# KiCad board longboi.kicad_pcb (continued)
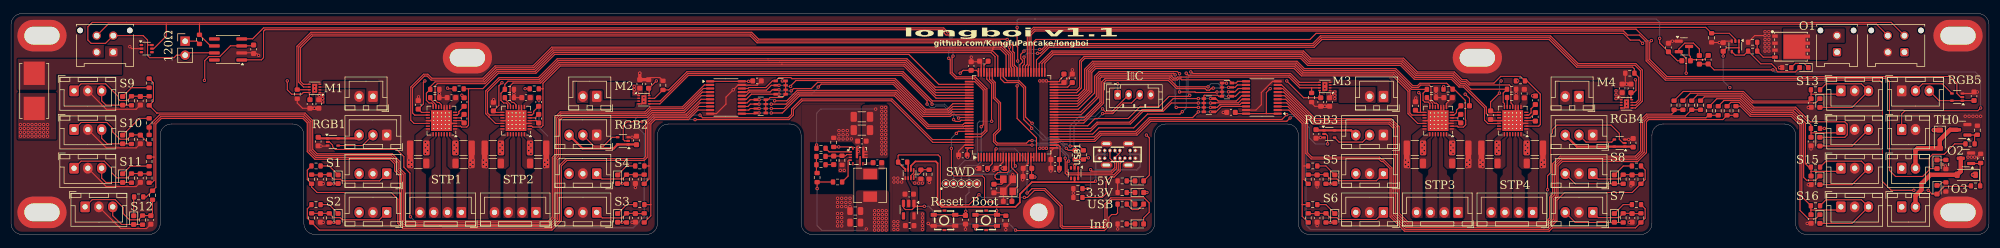
[diagram p0: board, top side]
## Routing (per net, layer and track width the routed paths; a pad name or vN(x,y) marks a point on that pad's centre or on a via; arc(x,y) is an arc through that point) (continued)
VBUS: length 67
  Top w0.3: U17.6 162.88,12.41 163.68,13.22 167.38,13.22 167.7,12.9 167.7,5.7 168.4,5 181.8,5 182.6,5.8 182.6,7.3 184.77,9.47 192.5,9.47 ; v1(196.3,9.67) 196.1,9.47 192.5,9.47 ; 192.5,9.47 U20.5
  Bottom w0.3: 197.95,14.4 197.85,14.5 196.71,14.5 196.3,14.09 196.3,11.7 ; 197.95,14.4 USB1.15 ; 197.95,14.4 USB1.2 ; 196.3,11.7 203.8,11.7 204.4,12.3 204.4,14.3 204.2,14.5 202.55,14.5 ; 196.3,11.7 v1(196.3,9.67) ; 202.55,14.5 USB1.7 ; 202.55,14.5 USB1.10
/24V_CAN/CANH: length 360.2
  Top w0.2: 24.7,34.4 24.8,34.3 U23.6 ; 24.7,34.4 24.7,32.4 25.1,32 29.5,32 29.96,32.46 J19.2 ; 24.7,34.4 24.7,35.2 23.9,36 J21.3 17.1,34.6 14.5,34.6 13.9,35.2 13.9,37.6 14.7,38.4 20.9,38.4 340.3,38.4 J20.3 ; 31.87,32.89 36.83,32.89
/24V_CAN/CANL: length 336.3
  Top w0.2: U23.5 25.82,33.65 28.1,35.93 28.1,38.07 ; 34.11,38.07 R12.1 36.09,34.16 ; 34.11,38.07 34.1,38.07 28.1,38.07 ; 34.11,38.07 34.11,38.07 337.63,38.07 J20.4 ; 28.1,38.07 17.57,38.07 J21.4
/Endstops/Switch 1/SW: length 101.4
  Top w0.2: U3.6 124.89,24.47 122.19,21.78 116.19,21.78 114.82,20.41 114.82,14.08 114.46,13.73 100.46,13.73 99.27,12.54 99.27,2.62 97.78,1.13 70.89,1.13 70,2.01 70,6.4 68.8,7.6 55.4,7.6 54.4,8.6 R60.2 53.62,9.95 53.62,11.65 R94.1
/Endstops/Switch 2/SW: length 95.6
  Top w0.2: R92.1 53.62,4.65 53.62,2.95 R56.2 55.78,0.8 97.91,0.8 99.6,2.49 99.6,12.4 100.6,13.4 114.6,13.4 115.15,13.95 115.15,20.27 116.33,21.45 122.33,21.45 124.7,23.83 U3.7
/Endstops/Switch 3/SW: length 31.3
  Top w0.2: 115.8,5.4 115.8,3.38 R48.2 ; 115.8,5.4 115.8,20 116.6,20.8 122.6,20.8 124.32,22.53 U3.9 ; 115.8,5.4 R88.1
/Endstops/Switch 4/SW: length 24.5
  Top w0.2: U3.8 124.51,23.17 122.46,21.13 116.46,21.13 115.47,20.14 115.47,12.4 ; 115.47,12.4 115.47,10.05 R52.2 ; 115.47,12.4 R90.1
/Endstops/Switch 5/SW: length 18.1
  Top w0.2: 234.02,12.4 234.02,20.24 231.09,23.17 U2.3 ; 234.02,12.4 234.02,9.95 R44.2 ; 234.02,12.4 R86.1
/Endstops/Switch 6/SW: length 24.9
  Top w0.2: 233.7,5.4 233.7,20.1 231.27,22.53 U2.2 ; 233.7,5.4 233.7,3.28 R40.2 ; 233.7,5.4 R84.1
/Endstops/Switch 7/SW: length 88.3
  Top w0.2: R82.1 295.78,4.65 295.78,2.95 R36.2 294.02,1.2 279,1.2 278.4,0.6 252.2,0.6 249.6,3.2 249.6,11.91 248.31,13.2 248.04,13.2 247.57,13.67 235.33,13.67 234.35,14.65 234.35,20.38 230.9,23.83 U2.4
/Endstops/Switch 8/SW: length 93.4
  Top w0.2: R80.1 295.78,11.65 295.78,9.95 R32.2 293.43,7.6 281.2,7.6 279.8,6.2 279.8,2.46 278.26,0.93 252.34,0.93 249.93,3.34 249.93,12.05 248.45,13.53 248.18,13.53 247.7,14 235.46,14 234.68,14.78 234.68,20.51 230.72,24.47 U2.5
/Endstops/Switch 9/SW: length 145
  Top w0.2: 25,28.22 25.77,27.45 25.77,24.15 R58.2 26.38,22 26.4,22 26.42,21.98 53.22,21.98 54.6,20.6 54.6,15.4 55.4,14.6 69,14.6 70.4,13.2 70.4,11.94 71.31,11.03 71.31,2.55 71.43,2.44 97.24,2.44 97.97,3.16 97.97,13.95 98.42,14.41 98.42,21.21 99.39,22.18 114.74,22.18 115.65,23.09 121.5,23.09 125.49,27.08 U3.2
/Endstops/Switch 10/SW: length 141.3
  Top w0.2: R54.2 R91.1 25,19.78 26.88,21.65 53.08,21.65 54.27,20.46 54.27,15.26 55.26,14.27 68.86,14.27 70.07,13.06 70.07,11.8 70.98,10.89 70.98,2.42 71.29,2.11 97.37,2.11 98.29,3.03 98.29,13.82 98.75,14.27 98.75,21.07 99.53,21.85 114.88,21.85 115.79,22.76 121.64,22.76 125.3,26.42 U3.3
/Endstops/Switch 11/SW: length 150.5
  Top w0.2: 25.87,14 25.85,14.03 R89.1 ; 25.87,14 25.87,20.14 27.06,21.33 52.95,21.33 53.95,20.33 53.95,15.13 55.13,13.95 68.73,13.95 69.75,12.93 69.75,11.66 70.65,10.76 70.65,2.28 71.16,1.78 97.51,1.78 98.62,2.89 98.62,13.68 99.07,14.14 99.07,20.94 99.66,21.53 115.01,21.53 115.92,22.44 121.77,22.44 125.11,25.78 126.54,25.78 ; 25.87,14 25.87,9.77 25.48,9.38 R50.2
/Endstops/Switch 12/SW: length 152.2
  Top w0.2: 23.92,6.8 24.48,6.8 R46.2 26.2,8.53 26.2,20 27.2,21 52.81,21 53.62,20.19 53.62,14.99 54.99,13.62 68.59,13.62 69.42,12.79 69.42,11.53 70.33,10.62 70.33,2.15 71.02,1.45 97.64,1.45 98.95,2.76 98.95,13.55 99.4,14 99.4,20.8 99.8,21.2 115.15,21.2 116.06,22.11 121.91,22.11 124.93,25.12 U3.5
/Endstops/Switch 13/SW: length 110.2
  Top w0.2: U2.9 229.97,27.08 236.06,20.98 249.81,20.98 251.24,19.55 251.24,3.88 252.88,2.24 277.72,2.24 278.49,3.01 278.49,6.74 279.02,7.27 279.02,12.81 280.39,14.18 293.99,14.18 294.94,15.14 294.94,20.74 295.99,21.78 300.58,21.78 301,22.2 R42.2 R85.1
/Endstops/Switch 14/SW: length 113.1
  Top w0.2: 304.18,22.58 303.06,21.46 296.13,21.46 295.27,20.6 295.27,15 294.13,13.86 280.53,13.86 279.34,12.67 279.34,7.14 278.82,6.61 278.82,2.87 277.86,1.91 252.74,1.91 250.91,3.74 250.91,19.42 249.67,20.66 235.93,20.66 230.16,26.42 U2.8 ; R38.2 R83.1
/Endstops/Switch 15/SW: length 115.8
  Top w0.2: 307.23,21.58 306.78,21.13 296.26,21.13 295.6,20.46 295.6,14.86 294.26,13.53 280.66,13.53 279.67,12.54 279.67,7 279.14,6.47 279.14,2.74 277.99,1.58 252.61,1.58 250.58,3.61 250.58,19.28 249.54,20.33 235.79,20.33 230.34,25.78 229.26,25.78 ; R81.1 R34.2
/Endstops/Switch 16/SW: length 119.1
  Top w0.2: U2.6 230.53,25.12 235.66,20 249.4,20 250.26,19.14 250.26,3.47 252.47,1.26 278.13,1.26 279.47,2.6 279.47,6.34 280,6.86 280,12.4 280.8,13.2 294.4,13.2 296,14.8 296,20.4 296.4,20.8 309.82,20.8 R30.2 R79.1
/Outputs/High Power 1/EN: length 14.9
  Top w0.2: U21.4 312.08,32.47 313.67,32.47 R62.1 316.7,30.9 318.65,30.9 319.5,30.05 319.5,29.72 319.79,29.44 322.96,29.44 D5.2
/Power/FB: length 4.4
  Top w0.2: U18.2 151.26,14.46 151.05,14.25 R23.1 ; 150.35,14.2 C58.2 147.5,14.2
/Power/PG: length 4.7
  Top w0.2: U18.4 151.66,13.46 151.5,13.3 151.5,10.57 R107.2
BOOT0: length 30
  Top w0.2: v1(177.7,5.9) 176.6,5.9 176.2,6.3 176.2,10.2 175.8,10.6 170.7,10.6 170.2,11.1 v1(170.2,15.6) ; v1(171.1,18.3) 171.47,18.67 U1.94 ; v1(178.4,4.3) 178.45,4.25 SW2.3 ; SW2.3 179.88,3.56 ; SW2.3 SW2.4
  Bottom w0.2: v1(177.7,5.9) 178.4,5.2 v1(178.4,4.3) ; v1(171.1,18.3) 170.2,17.4 v1(170.2,15.6)
CAN_RX: length 154.8
  Top w0.2: v1(169.73,31.9) 170,31.63 170,29.2 171,28.2 174.36,28.2 176.3,26.26 176.3,18.87 175.61,18.17 U1.95 ; 41.78,35.43 43.73,35.43 45.7,37.4 168.8,37.4 v1(169.5,36.7)
  Bottom w0.2: v1(169.73,31.9) 169.73,33.28 169.97,33.53 169.97,35.7 169.5,36.17 v1(169.5,36.7)
CAN_TX: length 160.2
  Top w0.2: U1.96 175.57,17.67 176.63,18.73 176.63,26.4 174.5,28.53 171.14,28.53 170.33,29.34 170.33,32.13 v1(170.5,32.3) ; 170.1,36.45 169.75,36.1 169.25,36.1 168.9,36.45 168.9,36.84 168.66,37.07 45.97,37.07 45.7,36.8 45.7,32 45.32,31.62 41.78,31.62
  Bottom w0.2: v1(170.3,36.4) 170.3,33.7 170.5,33.5 v1(170.5,32.3)
I2C5_SCL: length 43.3
  Top w0.2: U1.67 179.1,28.2 179.8,27.5 182.35,27.5 183.3,26.55 183.3,20.8 184.72,19.38 v1(184.72,19.22) ; 192.6,15.22 191.38,15.22 v1(191,15.6) ; J6.3 202.8,23.8 201.3,23.8 199.5,22 199.46,22 199.34,21.87 v1(197.57,21.87)
  Bottom w0.2: v1(184.72,19.22) 186.8,17.15 186.8,17.13 189.47,17.13 v1(191,15.6) 191.2,15.4 192.1,15.4 192.4,15.7 192.4,19.6 193.7,20.9 196.6,20.9 v1(197.57,21.87)
I2C5_SDA: length 41.2
  Top w0.2: v1(191.7,16) 193.32,16 194.1,15.22 ; J6.2 199.2,22.2 198.1,22.2 v1(197.56,22.74) ; U1.66 179.6,28.52 180.29,27.83 182.49,27.83 183.63,26.69 183.63,21.27 184.76,20.14 v1(184.81,20.14)
  Bottom w0.2: v1(197.56,22.74) 196.23,21.4 193.4,21.4 191.7,19.7 v1(191.7,16) 191.45,16 191.12,16.33 190.73,16.33 189.61,17.46 187.34,17.46 184.81,19.99 v1(184.81,20.14)
INFO: length 50.3
  Top w0.2: v1(183.9,7.5) 184,7.5 184.8,8.3 187.16,8.3 190.23,5.24 190.23,1.64 190.41,1.46 197.73,1.46 198,1.73 198,5.56 199.06,6.63 205.09,6.63 206,5.72 206,4 205,3 D1.2 ; v1(178.3,15.5) 178.1,15.3 U1.7
  Bottom w0.2: v1(183.9,7.5) 183.9,13.3 181.7,15.5 v1(178.3,15.5)
MOT1_IN1: length 144.9
  Top w0.2: U8.6 52.94,26.7 52.07,27.56 52.07,33.94 54.41,36.27 133.92,36.27 135.16,35.03 179,35.03 179.53,34.5 180.95,34.5 181.3,34.15 181.3,33.2 181.58,32.92 181.58,30.68 181.6,30.68 182.1,30.18 U1.61
MOT1_IN2: length 142
  Top w0.2: 181.05,29.4 181.05,30.23 180.93,30.36 180.93,32.64 178.86,34.7 135.03,34.7 133.78,35.94 54.55,35.94 52.4,33.8 52.4,27.7 52.9,27.2 U8.5
MOT1_SLP: length 146.7
  Top w0.2: v1(180.7,33.9) 180.7,33.33 181.26,32.77 181.26,30.54 181.6,30.2 U1.62 ; U8.7 51.83,26.2 51.75,26.28 51.75,34.07 54.27,36.6 134.06,36.6 135.3,35.36 180.24,35.36 v1(180.3,35.3)
  Bottom w0.2: v1(180.7,33.9) 180.7,34.9 v1(180.3,35.3)
MOT2_IN1: length 63.5
  Top w0.2: U9.6 117.49,24.15 122.46,29.13 161.34,29.13 166.7,23.76 166.7,23.58 v1(166.7,23.58) ; v1(171.5,21.08) 171.6,21.17 U1.89
  Bottom w0.2: v1(166.7,23.58) 169,23.58 v1(171.5,21.08)
MOT2_IN2: length 64.6
  Top w0.2: U1.90 171.95,20.67 171.75,20.47 170.93,20.47 v1(170.6,20.8) ; v1(165.8,23.6) 165.8,24.2 161.2,28.8 122.6,28.8 117.45,23.65 U9.5
  Bottom w0.2: v1(170.6,20.8) 170.6,21.51 168.86,23.25 167.4,23.25 167.13,22.98 166.42,22.98 v1(165.8,23.6)
MOT2_SLP: length 62.1
  Top w0.2: U1.83 166.75,24.17 161.47,29.46 122.33,29.46 119.05,26.17 R27.2 116.47,24.65 U9.7
MOT3_IN1: length 57.3
  Top w0.2: U10.6 233.21,27.05 231.44,28.83 213.07,28.83 v1(212.7,29.2) ; v1(212,22.23) 211.57,21.8 205.7,21.8 203.2,19.3 196.9,19.3 195.78,18.17 U1.31
  Bottom w0.2: v1(212.7,29.2) 212.7,22.9 212,22.2 v1(212,22.23)
MOT3_IN2: length 55.6
  Top w0.2: v1(213.34,25.2) 213.2,25.2 213,25 209.6,25 207.8,23.2 204.4,23.2 202.2,21 196.2,21 194.88,19.67 U1.34 ; v1(213.53,29.43) 213.67,29.43 213.94,29.16 231.57,29.16 233.18,27.55 U10.5
  Bottom w0.2: v1(213.53,29.43) 213.53,28.91 213.03,28.4 213.03,25.57 213.34,25.26 v1(213.34,25.2) 213.3,25.24
MOT3_SLP: length 55.3
  Top w0.2: R67.2 235.4,26.55 ; 235.4,26.55 233.25,26.55 231.3,28.5 211.75,28.5 211.75,28.5 211.15,28.5 210.95,28.3 210.45,28.3 210.1,28.65 210.1,28.84 197.24,28.84 196.76,28.36 196.76,24.76 193.68,21.67 U1.38 ; 235.4,26.55 U10.7
MOT4_IN1: length 125.8
  Top w0.2: v1(185.8,32.8) 186.34,32.8 187.76,34.23 235.74,34.23 237.13,35.62 278.52,35.62 283.51,30.63 293.94,30.63 294.93,29.64 294.93,24.26 294.06,23.4 U11.6 ; U1.59 183.1,30.5 183.4,30.8 183.4,32.04 v1(183.34,32.1)
  Bottom w0.2: v1(183.34,32.1) 183.5,32.26 183.5,32.4 183.9,32.8 v1(185.8,32.8)
MOT4_IN2: length 128.4
  Top w0.2: U11.5 294.03,22.9 295.26,24.13 295.26,29.77 294.07,30.96 283.64,30.96 278.65,35.95 236.99,35.95 235.6,34.56 187.63,34.56 186.58,33.51 v1(186.19,33.51) ; v1(183.34,33.2) 182.74,32.6 182.74,31.85 183.07,31.52 183.07,31.2 182.6,30.73 U1.60
  Bottom w0.2: v1(186.19,33.51) 183.51,33.51 183.2,33.2 183.25,33.25 183.29,33.25 v1(183.34,33.2)
MOT4_SLP: length 121.6
  Top w0.2: U11.7 294.1,23.9 294.6,24.4 294.6,28.42 R68.2 293.82,29.97 293.5,30.3 283.37,30.3 278.38,35.29 237.26,35.29 235.87,33.9 187.9,33.9 185.6,31.6 U1.54
NRST: length 23.8
  Top w0.2: v1(181.8,12.4) 181.6,12.6 U1.14 ; SW1.3 SW1.4 ; v1(172.8,4.2) 172.75,4.15 C62.1 171.03,3.44
  Bottom w0.2: v1(172.8,4.2) 172.8,7 173.4,7.6 J4.1 173.4,10.5 173.8,10.9 180.3,10.9 v1(181.8,12.4)
OUT1: length 137
  Top w0.2: U21.2 312.1,35.32 311,36.42 R20.1 306.73,37.5 185.07,37.5 183.94,36.37 183.94,30.81 183.6,30.46 U1.58
OUT2: length 204.5
  Top w0.2: 347.2,11.9 347.23,11.92 348.6,11.92 ; 347.2,11.9 347.2,13.9 347.8,14.5 349.9,14.5 351.8,16.4 R65.1 ; 347.2,11.9 347.2,11.7 346,10.5 341.1,10.5 340,11.6 340,27.7 339.43,28.27 299.56,28.27 296.27,31.56 296.27,35.03 294.13,37.17 185.21,37.17 184.27,36.24 184.27,30.67 184.1,30.5 U1.57
OUT3: length 202.5
  Top w0.2: v1(347,8) 347.69,7.31 D9.2 348.6,7.36 349.96,8.72 354.67,8.72 R71.1 ; U1.56 184.6,36.1 185.34,36.84 291.87,36.84 292.62,36.1 294.74,36.1 295.94,34.89 295.94,31.43 299.43,27.94 338.16,27.94 338.7,27.4 338.7,9.6 340.3,8 v1(344.4,8)
  Bottom w0.2: v1(347,8) v1(344.4,8)
RGB1: length 154.7
  Top w0.2: U12.2 57.62,16.75 58.2,16.17 58.2,15.9 58.7,15.4 69.8,15.4 71.1,14.1 71.1,12.2 72.2,11.1 72.2,3.3 v1(72.3,3.2) ; v1(124.7,21.6) 125.17,21.13 140.66,21.13 141.27,21.74 141.27,22.74 143.06,24.53 159.44,24.53 166.79,17.17 U1.97
  Bottom w0.2: v1(124.7,21.6) 123.2,21.6 122.8,21.2 113.3,21.2 113,20.9 113,19.8 114.6,18.2 114.6,3.2 112.6,1.2 78.2,1.2 77.6,1.8 73.7,1.8 v1(72.3,3.2)
RGB2: length 71.7
  Top w0.2: v1(114.2,20.4) 111.5,20.4 110.8,19.7 110.8,17.2 111.05,16.95 U13.2 ; v1(123.8,20.8) 140.8,20.8 141.6,21.6 141.6,22.6 143.2,24.2 159.3,24.2 166.82,16.67 U1.98
  Bottom w0.2: v1(114.2,20.4) 114.6,20.8 v1(123.8,20.8)
RGB3: length 56.9
  Top w0.2: U14.2 237.97,18.2 238.3,17.87 v1(238.3,16.4) ; U1.29 196.01,17.17 197.16,18.33 203.66,18.33 206.16,20.83 230.03,20.83 v1(230.9,21.7)
  Bottom w0.2: v1(238.3,16.4) 236.09,16.4 235,17.49 235,19.3 232.6,21.7 v1(230.9,21.7)
RGB4: length 143.5
  Top w0.2: U15.2 291.78,16.55 291.1,17.23 291.1,18.3 289.6,19.8 279.8,19.8 279,19 279,18.4 278.69,18.09 278.69,11.2 278.1,10.61 v1(278.1,8.1) ; 188.82,16.72 189.66,16.72 189.78,16.85 196.15,16.85 197.3,18 203.8,18 206.3,20.5 230.91,20.5 v1(231.51,21.1)
  Bottom w0.2: v1(231.51,21.1) 231.79,21.37 232.46,21.37 234.4,19.44 234.4,1.7 235.2,0.9 277.3,0.9 278.1,1.7 v1(278.1,8.1)
RGB5: length 183
  Top w0.2: v1(296.9,35.1) 296.6,34.8 296.6,31.7 299.7,28.6 351,28.6 352.2,27.4 352.2,25.55 352.88,24.88 U22.2 ; U1.55 185.1,34.9 185.5,35.3 235.1,35.3 236.21,36.41 291.84,36.41 293.06,35.19 294.71,35.19 v1(295.3,34.6)
  Bottom w0.2: v1(295.3,34.6) 295.8,35.1 v1(296.9,35.1)
STP1_DIAG: length 111.5
  Top w0.2: U1.69 178.1,32.2 177.37,32.93 98.26,32.93 94.86,29.53 88.03,29.53 85.8,27.3 77.15,27.3 76.75,26.9 76.75,24.33 77.17,23.9 77.47,23.9 77.9,23.47 U4.11
STP1_DIR: length 124.9
  Top w0.2: U4.19 72.94,20.11 72.35,20.7 72.35,26.69 74.67,29.01 ; U1.64 180.6,32.5 179.19,33.91 179.16,33.91 179.15,33.91 177.92,33.91 177.92,33.91 177.78,33.91 177.78,33.91 97.86,33.91 94.46,30.51 87.62,30.51 85.39,28.28 76.18,28.28 75.45,29.01 74.67,29.01
STP1_EN: length 105.6
  Top w0.2: U4.2 81.36,19.61 81.53,19.45 82.47,19.45 82.8,19.77 82.8,26.4 ; 82.8,26.4 82.77,26.37 R103.2 ; 82.8,26.4 85.4,26.4 88.2,29.2 95,29.2 98.4,32.6 162.5,32.6 167.93,27.17 U1.77
STP1_STEP: length 122
  Top w0.2: U1.65 180.1,32.5 179.02,33.58 177.78,33.58 177.78,33.58 177.65,33.58 177.64,33.58 97.99,33.58 94.59,30.18 87.76,30.18 85.53,27.96 76.04,27.96 75.31,28.69 74.81,28.69 72.68,26.55 72.68,22 73.07,21.61 U4.16
STP1_UART: length 113.5
  Top w0.2: U1.68 178.6,32.3 177.65,33.25 177.51,33.25 177.51,33.25 98.13,33.25 94.73,29.86 87.89,29.86 85.66,27.63 76.76,27.63 75.88,26.75 R95.2 75.17,25.57 75.17,24.28 75.66,23.8 76.15,23.8 76.4,23.55 U4.14
STP2_DIAG: length 91.5
  Top w0.2: U5.11 91.4,23.47 90.97,23.9 90.71,23.9 90.33,24.28 90.33,26.89 90.85,27.42 95.86,27.42 99.26,30.83 139.53,30.83 161.74,30.83 167.39,25.17 U1.81
STP2_DIR: length 99.9
  Top w0.2: U5.19 87.68,20.11 86.51,21.28 85.92,21.86 85.92,25.99 88.34,28.4 95.45,28.4 98.86,31.81 137,31.81 137,31.81 162.14,31.81 167.28,26.67 U1.78
STP2_EN: length 91.9
  Top w0.2: R104.2 96.25,26.37 96.28,26.4 ; 96.28,26.4 96.28,27.38 99.4,30.5 161.6,30.5 167.43,24.67 U1.82 ; 96.28,26.4 96.28,19.75 95.97,19.45 94.43,19.45 94.26,19.61 U5.2
STP2_STEP: length 98.4
  Top w0.2: U5.16 86.64,21.61 86.25,22 86.25,25.85 88.47,28.07 95.59,28.07 98.99,31.48 137.18,31.48 137.18,31.48 162.01,31.48 167.32,26.17 U1.79
STP2_UART: length 93.2
  Top w0.2: U1.80 167.35,25.67 161.87,31.16 139.05,31.16 139.05,31.15 99.13,31.15 95.72,27.75 89.95,27.75 89.38,27.17 R96.2 88.67,25.57 88.67,24.28 89.16,23.8 89.65,23.8 89.9,23.55 U5.14
STP3_DIAG: length 79.5
  Top w0.2: U6.11 258.3,23.47 258.01,23.76 257.72,23.76 257,24.48 257,26.74 256.69,27.05 255.15,27.05 254.7,26.6 253.58,26.6 250.48,29.7 233.96,29.7 232.64,31.03 195.9,31.03 194.63,29.76 194.63,26.2 193.11,24.67 U1.44
STP3_DIR: length 78.5
  Top w0.2: U6.19 254.6,20.11 252.85,21.86 252.85,25.94 250.07,28.72 233.56,28.72 232.23,30.04 196.31,30.04 195.61,29.35 195.61,25.79 193,23.17 U1.41
STP3_EN: length 89.3
  Top w0.2: R105.2 259.85,27.38 255.01,27.38 254.56,26.93 253.72,26.93 250.62,30.03 234.1,30.03 232.77,31.36 195.76,31.36 194.3,29.89 194.3,26.33 193.14,25.17 U1.45 ; 261.2,26.3 263.22,24.28 263.22,20.78 263.3,20.7 263.3,19.87 262.87,19.45 261.93,19.45 261.76,19.61 U6.2
STP3_STEP: length 77.9
  Top w0.2: U6.16 253.57,21.61 253.18,22 253.18,26.08 250.21,29.04 233.69,29.04 232.36,30.37 196.17,30.37 195.28,29.48 195.28,25.92 193.03,23.67 U1.42
STP3_UART: length 78.5
  Top w0.2: U1.43 193.07,24.17 194.96,26.06 194.96,29.62 196.04,30.7 232.5,30.7 233.83,29.37 250.35,29.37 253.45,26.27 R97.2 255.57,25.57 255.57,24.28 255.89,23.97 256.5,23.97 256.8,23.67 U6.14
STP4_DIAG: length 93.7
  Top w0.2: U7.11 271.8,23.5 271.48,23.82 271.48,26.79 271.19,27.08 263.92,27.08 263.31,27.68 262.51,27.68 261.11,29.08 254.41,29.08 251.91,31.58 235.11,31.58 233.81,32.88 188.52,32.88 186.6,30.96 U1.52
STP4_DIR: length 92.1
  Top w0.2: U7.19 269.3,20.07 267.33,20.07 266.7,20.7 266.7,22.9 262.9,26.7 262.1,26.7 260.7,28.1 254,28.1 251.5,30.6 234.7,30.6 233.4,31.9 194.36,31.9 193.73,31.26 193.73,26.53 192.88,25.67 U1.46
STP4_EN: length 105.6
  Top w0.2: U7.2 276.51,19.61 276.8,19.9 276.8,25.4 274.4,27.8 R106.2 273.19,28.63 269.63,28.63 268.4,27.4 264.05,27.4 263.44,28.01 262.64,28.01 261.24,29.41 254.54,29.41 252.04,31.91 235.24,31.91 233.94,33.21 188.38,33.21 186.1,30.93 U1.53
STP4_STEP: length 90.9
  Top w0.2: U1.47 192.91,26.17 193.4,26.66 193.4,31.4 194.23,32.23 233.54,32.23 234.84,30.93 251.64,30.93 254.14,28.43 260.84,28.43 262.24,27.03 263.04,27.03 267.02,23.04 267.02,21.93 267.34,21.61 U7.16
STP4_UART: length 92.2
  Top w0.2: U1.51 187.1,31 188.66,32.56 233.67,32.56 234.97,31.26 251.77,31.26 254.27,28.76 260.97,28.76 262.37,27.36 263.17,27.36 264.23,26.3 R98.2 270.07,25.6 270.07,23.93 270.3,23.7 U7.14
SW1: length 44.5
  Top w0.2: U1.88 170.33,21.67 170.02,21.36 165.03,21.36 160.31,26.08 142.29,26.08 140.41,24.2 v1(138.21,24.2) ; v1(135.4,24.4) RN4.1 133.8,24.4 133.22,23.83 U3.14
  Bottom w0.2: v1(138.21,24.2) 138.21,24.11 138.2,24.1 137.9,24.4 v1(135.4,24.4)
SW2: length 44.8
  Top w0.2: v1(135.4,23.6) RN4.2 133.8,23.6 133.38,23.17 U3.13 ; U1.91 173.38,20.13 172.54,20.13 172.25,19.83 166.1,19.83 160.17,25.76 142.43,25.76 140.27,23.6 v1(137.6,23.6)
  Bottom w0.2: v1(135.4,23.6) v1(137.6,23.6)
SW3: length 45
  Top w0.2: U1.93 165.82,19.17 159.9,25.1 142.7,25.1 139.6,22 v1(137.6,22) ; v1(135.4,22) RN4.4 134.68,21.88 U3.11
  Bottom w0.2: v1(135.4,22) v1(137.6,22)
SW4: length 44.9
  Top w0.2: v1(137.6,22.8) 139.94,22.8 142.56,25.43 160.04,25.43 165.96,19.5 172.42,19.5 172.54,19.63 173.38,19.63 U1.92 ; U3.12 133.53,22.53 133.8,22.8 RN4.3 v1(135.4,22.8)
  Bottom w0.2: v1(135.4,22.8) v1(137.6,22.8)
SW5: length 46
  Top w0.2: U2.17 222.73,23.83 222.4,23.5 218.94,23.5 218.94,23.5 218.8,23.5 218.3,23 RN1.2 v1(217.1,23) ; v1(210.9,23) v1(214.9,23) ; v1(210.7,28.9) 210.43,29.17 197.11,29.17 196.43,28.49 196.43,24.98 193.62,22.17 U1.39
  Bottom w0.2: v1(210.9,23) 210.7,23.2 v1(210.7,28.9) ; v1(217.1,23) v1(214.9,23)
SW6: length 37
  Top w0.2: U2.18 219.08,23.17 218.1,22.2 RN1.1 v1(217.1,22.2) ; v1(214.9,22.2) 213.86,21.16 206.03,21.16 203.53,18.66 197.03,18.66 196.05,17.67 U1.30
  Bottom w0.2: v1(217.1,22.2) v1(214.9,22.2)
SW7: length 37.2
  Top w0.2: v1(214.9,23.8) 210.02,23.8 208.5,22.28 204.88,22.28 202.6,20 196.7,20 195.38,18.67 U1.32 ; U2.16 222.77,24.47 222.13,23.83 217.73,23.83 RN1.3 v1(217.1,23.8)
  Bottom w0.2: v1(217.1,23.8) v1(214.9,23.8)
SW8: length 37.6
  Top w0.2: v1(214.9,24.6) 210.36,24.6 208.37,22.61 204.75,22.61 202.46,20.33 196.56,20.33 195.41,19.17 U1.33 ; U2.15 222.73,25.12 221.76,24.16 218.5,24.16 218.06,24.6 RN1.4 v1(217.1,24.6)
  Bottom w0.2: v1(217.1,24.6) v1(214.9,24.6)
SW9: length 44.8
  Top w0.2: U1.84 170.47,23.67 169.47,22.67 165.57,22.67 160.05,28.2 141.33,28.2 141.13,28.4 139,28.4 RN3.1 137.8,27.8 136.6,26.6 133.54,26.6 133.36,26.42 U3.18
SW10: length 44.9
  Top w0.2: U1.85 170.44,23.17 169.61,22.35 165.44,22.35 159.91,27.87 142.07,27.87 141.1,26.9 v1(141.1,26.8) ; 132.26,25.78 133.18,25.78 133.53,26.13 136.73,26.13 137.6,27 RN3.2 v1(139,27)
  Bottom w0.2: v1(139,27) 140.4,27 140.6,26.8 v1(141.1,26.8)
SW11: length 44.9
  Top w0.2: U1.86 170.4,22.67 169.75,22.02 165.3,22.02 159.78,27.54 145.98,27.54 144.85,26.41 141.61,26.41 v1(141.2,26) ; v1(139,26.2) RN3.3 137.8,26.2 137.4,25.8 133.67,25.8 133,25.12 U3.16
  Bottom w0.2: v1(141.2,26) 139.2,26 v1(139,26.2)
SW12: length 44.8
  Top w0.2: U3.15 133.07,24.47 134,25.4 RN3.4 v1(139,25.4) ; U1.87 170.37,22.17 169.88,21.69 165.16,21.69 159.64,27.22 146.63,27.22 v1(146.1,26.68)
  Bottom w0.2: v1(146.1,26.68) 146.1,26.6 144.9,25.4 v1(139,25.4)
SW13: length 41
  Top w0.2: U1.37 194.23,21.17 197.1,24.05 197.1,28.24 197.38,28.52 209.77,28.52 210.32,27.97 211.08,27.97 211.28,28.17 211.73,28.17 211.9,28 220.4,28 220.98,27.42 221.73,27.42 222.02,27.72 U2.11
SW14: length 41.4
  Top w0.2: v1(220.38,26.62) 221.52,26.62 221.98,27.08 U2.12 ; U1.36 194.19,20.67 197.43,23.91 197.43,27.63 197.99,28.19 209.63,28.19 211.09,26.73 v1(216.66,26.73)
  Bottom w0.2: v1(220.38,26.62) 219.2,26.62 218.53,27.3 217.2,27.3 216.7,26.8 216.7,26.77 v1(216.66,26.73)
SW15: length 41.5
  Top w0.2: U2.13 222.12,26.42 221.52,25.83 v1(220.38,25.83) ; U1.35 194.16,20.17 197.76,23.78 197.76,27.43 198.18,27.86 209.5,27.86 210.96,26.4 216.14,26.4 216.41,26.13 216.91,26.13 217.18,26.4 217.27,26.4 217.37,26.5 v1(217.6,26.5)
  Bottom w0.2: v1(217.6,26.5) 218.86,26.5 219.54,25.83 v1(220.38,25.83)
SW16: length 43.6
  Top w0.2: v1(211.49,25.8) 211.7,25.8 214.3,25.8 214.4,25.7 218.17,25.7 v1(218.27,25.8) ; 223.54,25.78 222.38,25.78 221.62,25.03 v1(220.38,25.03) ; v1(211.5,29.1) 211.1,29.5 210.95,29.5 210.95,29.5 210.45,29.5 210.45,29.5 196.97,29.5 196.1,28.63 196.1,25.6 193.18,22.67 U1.40
  Bottom w0.2: v1(220.38,25.03) 219.88,25.03 219.1,25.8 v1(218.27,25.8) ; v1(211.5,29.1) 211.49,29.09 v1(211.49,25.8)
SWCLK: length 22.9
  Top w0.2: v1(175.6,19.5) 175.97,19.87 175.97,26.13 174.43,27.67 U1.76
  Bottom w0.2: J3.1 172,11.6 172.9,12.5 174.9,12.5 175.6,13.2 v1(175.6,19.5)
SWDIO: length 25.7
  Top w0.2: v1(177.5,20.5) 177.47,20.53 177.47,27.26 176.6,28.14 U1.72
  Bottom w0.2: v1(177.5,20.5) 175.3,20.5 174.9,20.1 174.9,14 174.3,13.4 172.6,13.4 170.6,11.4 J2.1
TH0: length 152.3
  Top w0.2: R109.1 301.61,31.45 C82.2 298.4,34.66 v1(298.4,35.5) ; v1(182.1,26.9) 182.1,21 185.6,17.5 U1.22 ; v1(182.2,31.4) 182.2,33.9 182.1,34 v1(182.1,37.47)
  Bottom w0.2: v1(182.1,26.9) 182.3,27.1 182.3,31.3 v1(182.2,31.4) ; v1(182.1,37.47) 182.1,38.8 182.3,39 185.4,39 185.3,39 297.8,39 298.4,38.4 v1(298.4,35.5)
USB_DN: length 45.4
  Top w0.2: 193.2,11.13 191.37,11.13 191.13,11.37 191.13,13.13 191.3,13.3 v1(191.42,13.3) ; 193.2,11.13 193.15,11.18 U20.1 ; 193.2,11.13 199.26,11.13 200.1,11.96 200.1,13.17 199.8,13.47 USB1.13 199.8,13.9 200.7,14.8 USB1.5 ; v1(184.8,17) 184.27,17 183.8,16.53 178.54,16.53 178.13,16.94 178.13,18 179.1,18.97 179.1,23.83 178.13,24.8 178.13,27.54 177.6,28.06 U1.70
  Bottom w0.2: v1(191.42,13.3) 191.42,14.24 189.14,16.53 185.8,16.53 185.33,17 v1(184.8,17)
USB_DP: length 45.8
  Top w0.2: 193.1,10.8 193.15,10.75 U20.6 ; 193.1,10.8 191.1,10.8 190.8,11.1 v1(190.8,13.8) ; 193.1,10.8 199.6,10.8 200.43,11.63 200.43,13.1 200.7,13.37 USB1.12 ; v1(184.8,16.2) 178.4,16.2 177.8,16.8 177.8,18.14 178.77,19.11 178.77,23.69 177.8,24.66 177.8,27.4 177.1,28.1 U1.71
  Bottom w0.2: USB1.4 199.8,15.1 200.7,14.2 USB1.12 ; v1(190.8,13.8) 190.8,14.4 189,16.2 v1(184.8,16.2)
Net-(C8-Pad2): length 3.6
  Top w0.2: U1.48 191.25,26.67 C8.2
Net-(C10-Pad2): length 2.3
  Top w0.2: U1.73 176.1,30.62 C10.2
Net-(C58-Pad1): length 1.5
  Top w0.2: C58.1 147.45,12.65
Net-(D1-K): length 1.5
  Top w0.2: R1.2 D1.1
Net-(D2-A): length 3.9
  Top w0.2: D2.2 204,4.5 202.94,4.5 R18.1
Net-(D2-K): length 65.7
  Top w0.2: v1(175.2,7.2) 173.38,5.38 168.62,5.38 168.2,5.8 168.2,14 167.8,14.4 160.7,14.4 160.55,14.25 R17.2 ; v1(183.4,6.7) 183.95,6.7 185.22,7.97 187.03,7.97 189.9,5.1 189.9,1.5 190.27,1.13 197.86,1.13 198.37,1.64 198.37,5.47 199.2,6.3 202.62,6.3 D2.1
  Top w0.3: 161.88,11.78 R17.2
  Bottom w0.2: v1(175.2,7.2) 175.7,6.7 v1(183.4,6.7)
Net-(D3-K): length 1.5
  Top w0.2: R24.2 D3.1
Net-(D4-K): length 1.5
  Top w0.2: R25.2 D4.1
Net-(D5-K): length 3.7
  Top w0.2: R61.2 322.99,30.99 324.54,30.99 D5.1
Net-(D6-K): length 1.6
  Top w0.2: D6.1 R64.2
Net-(D7-A): length 13.2
  Top w0.8: J41.2 344.7,15.2 345.1,15.6 D7.2 349.1,17.1 350.95,18.95 Q2.3
Net-(D9-K): length 1.8
  Top w0.2: D9.1 348.99,8.89 349.52,9.43 350.2,9.43
Net-(D10-A): length 15
  Top w0.8: Q4.3 352.9,11.45 D10.2 347.4,10.8 345.8,9.2 345.8,8.1 344.7,7 J44.2
Net-(D15-K): length 33
  Top w0.2: 312.2,23.22 312.98,23.22 314.8,21.4 322.2,21.4 323.8,19.8 323.8,4.35 325.33,2.82 326.64,2.82 D15.1
Net-(D16-K): length 3.8
  Top w0.2: R80.2 291.81,12.4 D16.1
Net-(D17-K): length 30.8
  Top w0.2: D17.1 326.64,9.82 324.98,9.82 324.46,10.34 324.46,20.07 322.47,22.06 315.07,22.06 312.87,24.25 310.03,24.25 309,23.22
Net-(D18-K): length 3.8
  Top w0.2: R82.2 291.81,5.4 D18.1
Net-(D19-K): length 37.8
  Top w0.2: 304.2,24.22 305.21,25.24 313.28,25.24 315.48,23.04 323.02,23.04 325.66,20.4 331.91,20.4 332.35,19.96 332.35,18.04 331.9,17.59 D19.1
Net-(D20-K): length 3.8
  Top w0.2: R84.2 237.99,5.4 D20.1
Net-(D21-K): length 26.4
  Top w0.2: D21.1 326.64,23.82 315.16,23.82 313.42,25.57 303.94,25.57 302.6,24.22
Net-(D22-K): length 3.8
  Top w0.2: R86.2 237.99,12.4 D22.1
Net-(D23-K): length 3.4
  Top w0.2: D23.1 22.2,6.72 R87.2
Net-(D24-K): length 3.8
  Top w0.2: R88.2 111.41,5.4 D24.1
Net-(D25-K): length 5.4
  Top w0.2: R89.2 21.59,12.38 D25.1
Net-(D26-K): length 3.8
  Top w0.2: R90.2 111.41,12.4 D26.1
Net-(D27-K): length 6.1
  Top w0.2: D27.1 23.24,21.03 R91.2
Net-(D28-K): length 3.8
  Top w0.2: D28.1 57.59,5.4 R92.2
Net-(D29-K): length 5.5
  Top w0.2: R93.2 21.79,26.58 D29.1
Net-(D30-K): length 3.8
  Top w0.2: R94.2 57.59,12.4 D30.1
Net-(D32-K-Pad3): length 6
  Top w0.2: R109.2 303.96,32.22 303.73,32.46 D32.3 ; R108.1 306.41,31.65 304.16,31.65
Net-(J15-Pin_2): length 7.1
  Top w0.2: U12.4 63.6,16.1 J15.2
Net-(J16-Pin_2): length 7.8
  Top w0.2: J16.2 105.5,16 107.2,16 108.8,17.6 U13.4
Net-(J17-Pin_2): length 7.2
  Top w0.2: U14.4 240.38,16.72 244.62,16.72 J17.2
Net-(J18-Pin_2): length 7.1
  Top w0.2: U15.4 289.72,16.72 285.08,16.72 J18.2
Net-(J19-Pin_1): length 2.8
  Top w0.2: J19.1 33.61,35 R12.2
Net-(J23-Pin_1): length 37.3
  Top w0.2: 310.6,23.22 311.3,23.93 312.74,23.93 314.94,21.73 322.34,21.73 324.13,19.94 324.13,6.85 R29.2 325.77,4.4 ; 330.62,4.42 325.8,4.42 325.77,4.4 ; 325.77,4.4 325.77,3.6
Net-(J24-Pin_1): length 9.3
  Top w0.2: J24.1 287.25,10.05 291.02,10.05 R31.2 293.35,10.82 ; R32.1 293.45,10.82
Net-(J25-Pin_1): length 34.8
  Top w0.2: 330.62,11.42 325.82,11.42 325.8,11.4 ; 307.4,23.22 308.76,24.58 313.01,24.58 315.21,22.38 322.62,22.38 324.78,20.22 324.78,12.82 325.4,12.2 R33.2 ; 325.8,11.4 325.8,12.17 ; 325.8,11.4 325.8,10.57
Net-(J26-Pin_1): length 9.3
  Top w0.2: 293.35,3.82 R35.2 291.02,3.05 287.25,3.05 J26.1 ; C66.1 294.95,3.78
Net-(J27-Pin_1): length 29.4
  Top w0.2: 330.6,18.4 325.8,18.4 ; 325.8,18.4 325.8,19.17 ; 325.8,18.4 C67.1 ; 305.8,24.22 306.49,24.91 313.15,24.91 315.34,22.71 322.89,22.71 325.77,19.83 R37.2
Net-(J28-Pin_1): length 14.5
  Top w0.2: 236.45,3.82 R39.2 238.78,3.05 239.98,3.05 240.31,2.71 247.11,2.71 J28.1 ; C68.1 234.85,3.78
Net-(J29-Pin_1): length 32.7
  Top w0.2: 325.8,25.4 325.8,26.17 ; 325.8,25.4 C69.1 ; 325.8,25.4 330.6,25.4 ; 325.8,24.4 325.55,24.15 315.3,24.15 313.55,25.89 302.67,25.89 301,24.22
Net-(J30-Pin_1): length 14.5
  Top w0.2: C70.1 234.85,10.78 ; 236.45,10.82 R43.2 238.78,10.05 239.98,10.05 240.3,9.72 247.12,9.72 J30.1
Net-(J31-Pin_1): length 17.9
  Top w0.2: J31.1 14.7,6.3 18.85,6.3 20.3,4.85 20.3,3.8 21.45,2.65 23.02,2.65 R45.2 25.27,3.43 C71.1 25.3,3.6 25.6,3.9 R46.1
Net-(J32-Pin_1): length 9.3
  Top w0.2: 112.95,3.82 R47.2 110.8,3.22 110.8,3.2 110.6,3 107,3 J32.1 ; C72.1 114.55,3.78
Net-(J33-Pin_1): length 16
  Top w0.2: J33.1 12.68,13.28 16.88,13.28 18.2,11.95 18.2,11.2 19.15,10.25 21.02,10.25 R49.2 23.35,11.03 ; C73.1 24.95,10.97
Net-(J34-Pin_1): length 9.2
  Top w0.2: 112.95,10.82 R51.2 110.62,10.05 106.95,10.05 J34.1 ; C74.1 114.55,10.78
Net-(J35-Pin_1): length 16.7
  Top w0.2: C75.1 R54.1 ; J35.1 12.68,20.28 17.32,20.28 18.4,19.2 18.4,18.57 19.72,17.25 21.02,17.25 R53.2 23.35,18.03
Net-(J36-Pin_1): length 14.5
  Top w0.2: R56.1 55.95,3.82 ; J36.1 66.65,2.65 59.97,2.65 59.58,3.05 58.38,3.05 R55.2 56.05,3.82
Net-(J37-Pin_1): length 15.9
  Top w0.2: 23.35,25.03 R57.2 21.02,24.25 19.72,24.25 19.42,24.55 19.42,24.98 17.12,27.28 12.68,27.28 J37.1 ; C77.1 24.95,24.97
Net-(J38-Pin_1): length 14.5
  Top w0.2: J38.1 66.71,9.71 59.91,9.71 59.63,10 58.42,10 R59.2 56.05,10.82 ; C78.1 54.45,10.78
Net-(J40-Pin_2): length 7.9
  Top w0.2: U22.4 349.55,27.28 345.98,27.28 J40.2
Net-(J50-Pin_1): length 75
  Top w0.2: 305.61,30.87 R108.2 308.26,29.8 v1(318.9,29.8) ; J50.1 342.2,21.8 342.8,22.4 356,22.4 v1(356.5,22.9)
  Bottom w0.2: v1(356.5,22.9) 356.5,28.4 355.5,29.4 319.3,29.4 v1(318.9,29.8)
Net-(Q1-G): length 5.3
  Top w0.2: R63.1 R62.2 317.15,32.1 Q1.4
Net-(Q2-G): length 3.3
  Top w0.2: R65.2 355.4,18 ; 355.4,18 355.85,18 ; 355.4,18 Q2.1
Net-(Q4-G): length 5.8
  Top w0.2: Q4.1 356.4,12.85 ; 356.4,12.85 R72.1 ; 356.4,12.85 R71.2
Net-(R19-Pad1): length 2.9
  Top w0.2: R22.1 R19.1 145.78,11.25
Net-(U1-PH0): length 9.2
  Top w0.2: Y1.3 178.4,10 178.1,10.3 178.1,10.7 178.6,11.2 180.3,11.2 180.6,11.5 U1.12 ; C3.1 179.3,9.1 179.6,9.4
Net-(U1-PH1): length 8.7
  Top w0.2: C6.1 181.15,7.65 ; Y1.1 182.2,8.7 182.2,11 181.1,12.1 U1.13
Net-(U4-CLK): length 1.9
  Top w0.2: 75.88,24.54 76.9,23.51 U4.13
Net-(U4-CPI): length 1.9
  Top w0.2: U4.5 81.36,21.11 C16.1
Net-(U4-CPO): length 1.8
  Top w0.2: C16.2 81.59,20.61 U4.4
Net-(U4-VCP): length 2.5
  Top w0.2: U4.6 80.76,21.61 81.05,21.89 81.05,22.25 C17.1
Net-(U5-CLK): length 1.9
  Top w0.2: U5.13 90.4,23.51 89.38,24.54
Net-(U5-CPI): length 1.9
  Top w0.2: C22.1 94.86,21.11 U5.5
Net-(U5-CPO): length 1.8
  Top w0.2: C22.2 95.09,20.61 U5.4
Net-(U5-VCP): length 2.5
  Top w0.2: U5.6 94.26,21.61 94.6,21.94 94.6,22.3 C23.1
Net-(U6-5VOUT): length 2.1
  Top w0.2: C30.2 259.8,23.7 U6.8
Net-(U6-CLK): length 2.1
  Top w0.2: U6.13 257.3,23.7 256.27,24.72
Net-(U6-CPI): length 1.9
  Top w0.2: U6.5 261.76,21.11 C28.1
Net-(U6-CPO): length 1.8
  Top w0.2: U6.4 261.99,20.61 C28.2
Net-(U6-VCP): length 2.6
  Top w0.2: C29.1 261.62,22.5 261.62,22.07 261.16,21.61 U6.6
Net-(U7-CLK): length 1.7
  Top w0.2: U7.13 270.8,24.78
Net-(U7-CPI): length 2
  Top w0.2: U7.5 274.94,21.11 C34.1
Net-(U7-CPO): length 1.6
  Top w0.2: U7.4 275.81,20.61
Net-(U7-VCP): length 2.9
  Top w0.2: U7.6 274.71,21.61 275.12,22.02 275.12,22.75 C35.1
Net-(U17-PR1): length 4
  Top w0.2: U17.4 163.38,10.7 163.57,10.9 164.38,10.9 164.68,11.2 164.68,11.72 166.18,11.72
Net-(U18-EN): length 4.8
  Top w0.2: R16.2 148.06,14.96 U18.1
Net-(U19-CE): length 48.6
  Top w0.2: U19.3 161.53,4.85 161.88,4.5 163.07,4.5 163.43,4.85 163.43,5 ; v1(181.8,0.8) 181.9,0.7 197.9,0.7 198.7,1.5 198.7,3.1 199.2,3.6 200,3.6 200.3,3.9 200.29,3.91 R18.2 ; 163.43,5 U19.1 ; 163.43,5 163.53,5.1 v1(165.3,5.1)
  Top w0.3: U17.7 162.38,12.92
  Bottom w0.2: v1(181.8,0.8) 180.7,1.9 167.6,1.9 166.9,2.6 166.9,4.3 166.1,5.1 v1(165.3,5.1)
Net-(USB1-CC1): length 13
  Top w0.2: USB1.3 198.9,13.78 199.77,12.91 199.77,12.1 199.13,11.46 195.64,11.46 195.4,11.7 v1(195.4,11.73) ; v1(194.9,8.3) R69.2
  Bottom w0.2: v1(195.4,11.73) 195.4,8.6 195.1,8.3 v1(194.9,8.3)
Net-(USB1-CC2): length 12.8
  Top w0.2: USB1.11 201.6,13.7 200.76,12.86 200.76,11.49 199.66,10.4 199,10.4 198.2,9.6 198.2,7.4 197.5,6.7 R73.1

## Copper pours and planes (outline as drawn; the poured copper is in the pictures)
+3.3V on Top: 186.1,15.4 186.1,28.2 187.7,28.2 187.7,15.4
+3.3V on Top: 162.68,4.2 165.47,4.2 165.47,0.5 162.68,0.5
+3.3V on Power: 0,28.4 358,28.3 358,27.4 0.1,27.3 0,27.3
+3.3V on Power: 164.4,8.5 167.9,8.5 167.9,16.9 207,16.9 207,0 164.4,0
+5V on Top: 152.9,8 158.9,8 158.9,0.3 152.9,0.3
+5V on Top: 292.2,26.3 292.2,24.6 291.8,24.6 291.8,24.3 290.2,24.3 290.2,26.3
+5V on Top: 162.68,9.8 163.28,8.9 165.38,8.9 165.38,10.5 163.68,10.5 163.68,9.8 163.18,9.8 163.18,10.6 162.68,10.6
+5V on Top: 56.8,25.8 55.6,25.8 55.6,25.4 55,25.4 55,23.6 56.8,23.6
+5V on Top: 112.4,25 112.4,27.2 114.4,27.2 114.4,25.4 114,25.4 114,25
+5V on Top: 238.4,26.2 240,26.2 240,24 238,24 238,25.8 238.4,25.8
+5V on Power: 0,27 0,0 358,0 358,27
+24V on Top: 79.2,18.57 79.6,18.57 81,17.27 81,14.27 79.8,14.27 79.8,17.07 79.2,17.67
+24V on Top: 154,13.8 154,23.45 155.3,23.45 155.5,23.5 158.8,23.5 158.8,13.8
+24V on Top: 273.1,18.58 273.5,18.58 274.9,17.28 274.9,14.28 273.7,14.28 273.7,17.08 273.1,17.67
+24V on Top: 257,18.57 256.5,18.57 255,17.27 255,14.27 256.2,14.27 256.2,17.07 257,17.67
+24V on Top: 76.6,18.57 76.1,18.57 74.6,17.27 74.6,14.27 75.8,14.27 75.8,17.07 76.6,17.67
+24V on Top: 259.6,18.57 260,18.57 261.4,17.27 261.4,14.27 260.2,14.27 260.2,17.07 259.6,17.67
+24V on Top: 92.7,18.57 93.1,18.57 94.5,17.27 94.5,14.27 93.3,14.27 93.3,17.07 92.7,17.67
+24V on Top: 90.1,18.57 89.6,18.57 88.1,17.27 88.1,14.27 89.3,14.27 89.3,17.07 90.1,17.67
+24V on Top: 1.2,25.6 8.2,25.6 8.2,17.2 1.2,17.2
+24V on Top: 270.5,18.58 270,18.58 268.5,17.28 268.5,14.28 269.7,14.28 269.7,17.08 270.5,17.67
+24V on Bottom: 0,40 358,40 358,0 0,0
/Power/AGND on Top: 152.2,14.1 151.3,14.1 150.8,13.6 149.7,13.6 149.7,11.2 151.3,11.2 151.3,13.5 151.6,13.8 152.2,13.8
/Power/AGND on Bottom, Power, GND: 152.1,16.5 152.1,7.5 144.8,7.5 144.8,16.5
GND on Top: 353.3,18.8 356.6,18.8 356.6,21.8 353.3,21.8
GND on Top: 320.17,37.11 320.17,32.81 317.07,32.81 317.07,37.11
GND on Top: 0,40 358,40 358,0 159,0 159,19 142,19 142,0 0,0
GND on Top: 162.47,0.5 159.47,0.5 159.47,10.6 162.78,10.6 162.78,4.4 162.47,4.4
GND on Top: 353.8,15.3 357.3,15.3 357.3,13.7 353.8,13.7
GND on Top: 153.8,23.5 153.8,13.7 152.9,13.7 152.9,16 152.2,16.7 144.6,16.7 144.6,7.3 152.6,7.3 152.6,0.3 143.1,0.3 143.1,23.5
GND on Bottom: 75,24 94,24 94,17.2 75,17.2
GND on Bottom: 255.6,24 274.6,24 274.6,17.2 255.6,17.2
GND on GND: 143,2 143.59,0.59 145,0 205,0 206.41,0.59 207,2 207,18 207.59,19.41 209,20 231,20 232.41,19.41 233,18 233,2 233.59,0.59 235,0 295,0 296.41,0.59 297,2 297,18 297.59,19.41 299,20 321,20 322.41,19.41 323,18 323,2 323.59,0.59 325,0 356,0 357.41,0.59 358,2 358,38 357.41,39.41 356,40 2,40 0.59,39.41 0,38 0,2 0.59,0.59 2,0 25,0 26.41,0.59 27,2 27,18 27.59,19.41 29,20 51,20 52.41,19.41 53,18 53,2 53.59,0.59 55,0 115,0 116.41,0.59 117,2 117,18 117.59,19.41 119,20 141,20 142.41,19.41 143,18
Net-(J7-Pin_1) on Top: 79.9,19.27 79.9,18.57 81.3,17.27 81.3,11.47 80.6,10.87 80.6,2.95 82.5,2.95 82.5,17.97 80.9,19.27
Net-(J7-Pin_2) on Top: 78.6,18.57 78.6,17.67 78.8,17.37 78.8,12.27 79.5,11.57 79.5,10.87 80.1,10.27 80.1,2.97 78,2.97 78,17.37 78.2,17.67 78.2,18.57
Net-(J7-Pin_3) on Top: 77.2,18.57 77.2,17.67 76.8,17.17 76.8,12.27 76.1,11.67 76.1,10.87 75.6,10.17 75.6,2.97 77.8,2.97 77.8,17.37 77.6,17.67 77.6,18.57
Net-(J7-Pin_4) on Top: 75.9,19.27 75.9,18.67 74.3,17.27 74.3,11.47 75.1,10.87 75.1,2.97 73.1,2.97 73.2,17.97 74.8,19.27
Net-(J8-Pin_1) on Top: 93.4,19.27 93.4,18.57 94.8,17.27 94.8,11.47 94.1,10.87 94.1,2.95 96,2.95 96,17.97 94.4,19.27
Net-(J8-Pin_2) on Top: 92.1,18.57 92.1,17.67 92.3,17.37 92.3,12.27 93,11.57 93,10.87 93.6,10.27 93.6,2.97 91.5,2.97 91.5,17.37 91.7,17.67 91.7,18.57
Net-(J8-Pin_3) on Top: 90.7,18.57 90.7,17.67 90.3,17.17 90.3,12.27 89.6,11.67 89.6,10.87 89.1,10.17 89.1,2.97 91.3,2.97 91.3,17.37 91.1,17.67 91.1,18.57
Net-(J8-Pin_4) on Top: 89.4,19.27 89.4,18.67 87.8,17.27 87.8,11.47 88.6,10.87 88.6,2.97 86.6,2.97 86.7,17.97 88.3,19.27
Net-(J9-Pin_1) on Top: 260.3,19.27 260.3,18.57 261.7,17.27 261.7,11.47 261,10.87 261,2.95 262.9,2.95 262.9,17.97 261.3,19.27
Net-(J9-Pin_2) on Top: 259,18.57 259,17.67 259.2,17.37 259.2,12.27 259.9,11.57 259.9,10.87 260.5,10.27 260.5,2.97 258.4,2.97 258.4,17.37 258.6,17.67 258.6,18.57
Net-(J9-Pin_3) on Top: 257.6,18.57 257.6,17.67 257.2,17.17 257.2,12.27 256.5,11.67 256.5,10.87 256,10.17 256,2.97 258.2,2.97 258.2,17.37 258,17.67 258,18.57
Net-(J9-Pin_4) on Top: 256.3,19.27 256.3,18.67 254.7,17.27 254.7,11.47 255.5,10.87 255.5,2.97 253.5,2.97 253.6,17.97 255.2,19.27
Net-(J10-Pin_1) on Top: 273.8,19.28 273.8,18.58 275.2,17.28 275.2,11.47 274.5,10.88 274.5,2.95 276.4,2.95 276.4,17.97 274.8,19.28
Net-(J10-Pin_2) on Top: 272.5,18.58 272.5,17.67 272.7,17.38 272.7,12.28 273.4,11.58 273.4,10.88 274,10.28 274,2.97 271.9,2.97 271.9,17.38 272.1,17.67 272.1,18.58
Net-(J10-Pin_3) on Top: 271.1,18.58 271.1,17.67 270.7,17.17 270.7,12.28 270,11.67 270,10.88 269.5,10.18 269.5,2.97 271.7,2.97 271.7,17.38 271.5,17.67 271.5,18.58
Net-(J10-Pin_4) on Top: 269.8,19.28 269.8,18.67 268.2,17.28 268.2,11.47 269,10.88 269,2.97 267,2.97 267.1,17.97 268.7,19.28
Net-(J11-Pin_1) on Top: 55.6,26.5 55.6,26.9 56.4,26.9 56.4,27.8 66.5,27.8 66.5,23.6 64.3,23.6 64.3,26.5
Net-(J11-Pin_2) on Top: 55.6,26 57,26 57,23.6 64.1,23.6 64.1,26.4 55.6,26.4
Net-(J12-Pin_1) on Top: 113.9,24.3 107.1,24.3 107.1,26.1 104.7,26.1 104.7,23.1 112.9,23.1 112.9,24 113.9,24
Net-(J12-Pin_2) on Top: 113.9,24.8 112.1,24.8 112.1,27.6 102.4,27.6 102.4,23.8 104.6,23.8 104.6,26.2 107.2,26.2 107.2,24.5 113.9,24.5
Net-(J13-Pin_1) on Top: 238.5,27.2 239.5,27.2 239.5,28 249.5,28 249.5,23.8 247.3,23.8 247.3,26.9 238.5,26.9
Net-(J13-Pin_2) on Top: 238.5,26.4 238.5,26.7 247,26.7 247,23.8 240.3,23.8 240.3,26.4
Net-(J14-Pin_1) on Top: 291.7,23.6 284.7,23.6 284.7,26 282.8,26 282.8,22.6 291,22.6 291,23.2 291.7,23.2
Net-(J14-Pin_2) on Top: 291.7,24.1 289.9,24.1 289.9,27.7 280.3,27.7 280.3,23.5 282.6,23.5 282.6,26.2 284.9,26.2 284.9,23.8 291.7,23.8
Net-(J20-Pin_1) on Top: 17,34.1 20.1,34.1 20.1,28.9 8.2,29 8.2,26.2 1.2,26.2 1.2,31.8 17,31.8
Net-(J20-Pin_1) on Power: 0,40 358,40 358,28.7 0,28.7
Net-(J39-Pin_2) on Top: 331.9,37.3 331.9,34.7 328.7,34.7 328.7,31.6 320.7,31.6 320.7,37.3
Net-(U4-5VOUT) on Top: 79.6,22.67 81.1,24.17 81.1,25.37 79.8,25.37 79.8,24.17 79.2,23.67 79.2,22.67
Net-(U4-BRA) on Top: 77.1,18.57 77.1,17.77 76.6,17.17 76.6,12.37 76,11.87 74.5,11.87 74.5,14.17 75.9,14.17 75.9,17.07 76.7,17.77 76.7,18.57
Net-(U4-BRB) on Top: 79.1,18.57 79.1,17.67 79.7,17.07 79.7,14.17 81.1,14.17 81.1,11.87 79.5,11.87 79,12.37 79,17.37 78.7,17.77 78.7,18.57
Net-(U5-5VOUT) on Top: 93.1,22.67 94.6,24.17 94.6,25.37 93.3,25.37 93.3,24.17 92.7,23.67 92.7,22.67
Net-(U5-BRA) on Top: 90.6,18.57 90.6,17.77 90.1,17.17 90.1,12.37 89.5,11.87 88,11.87 88,14.17 89.4,14.17 89.4,17.07 90.2,17.77 90.2,18.57
Net-(U5-BRB) on Top: 92.6,18.57 92.6,17.67 93.2,17.07 93.2,14.17 94.6,14.17 94.6,11.87 93,11.87 92.5,12.37 92.5,17.37 92.2,17.77 92.2,18.57
Net-(U6-5VOUT) on Top: 260,22.67 261.5,24.17 261.5,25.37 260.2,25.37 260.2,24.17 259.6,23.67 259.6,22.67
Net-(U6-BRA) on Top: 257.5,18.57 257.5,17.77 257,17.17 257,12.37 256.4,11.87 254.9,11.87 254.9,14.17 256.3,14.17 256.3,17.07 257.1,17.77 257.1,18.57
Net-(U6-BRB) on Top: 259.5,18.57 259.5,17.67 260.1,17.07 260.1,14.17 261.5,14.17 261.5,11.87 259.9,11.87 259.4,12.37 259.4,17.37 259.1,17.77 259.1,18.57
Net-(U7-5VOUT) on Top: 273.5,22.67 274.5,23.67 274.5,25.38 273.4,25.38 273.4,23.92 273.1,23.67 273.1,22.67
Net-(U7-BRA) on Top: 271,18.58 271,17.78 270.5,17.17 270.5,12.38 269.9,11.88 268.4,11.88 268.4,14.17 269.8,14.17 269.8,17.08 270.6,17.78 270.6,18.58
Net-(U7-BRB) on Top: 273,18.58 273,17.67 273.6,17.08 273.6,14.17 275,14.17 275,11.88 273.4,11.88 272.9,12.38 272.9,17.38 272.6,17.78 272.6,18.58
Net-(U18-SW) on Top: 153.8,14.2 153.8,12.1 157.1,12.1 157.1,13.5 158.1,13.5 158.1,11.7 157,11.7 157,9.9 152.9,9.9 152.9,14.2
Net-(U19-CE) on Top: 162.57,12 162.57,9.7 163.18,8.8 164.18,8.8 164.18,4.8 162.88,4.8 162.88,8.3 162.18,9.7 162.18,12

Small or netless copper shapes (teardrops, artwork), in the pictures only: 1 on Top

## Text on the board
B.Silkscreen: GND | CAN_L | 24V | CAN_H | PD11 | PD3 | PD4 | PD5 | PD6 | 5V | M+ | M- | PE0 | PD7 | PB5 | A+ | A- | B+ | B- | PE1 | PB6 | PB7 | 3.3V | SWDIO | SWCLK | NRST | PC9 | PA8 | PA5 | PE9 | PA6 | PC5 | PC4 | PE7 | PB2 | PB1 | PE10 | PA0 | PD8 | PD10 | PD9
F.Silkscreen: github.com/KungfuPancake/longboi | longboi v1.1 | S9 | S10 | S11 | S12 | RGB1 | S1 | S2 | STP1 | STP2 | M2 | RGB2 | S4 | S3 | Reset | SWD | Boot | I²C | STP3 | STP4 | M4 | RGB4 | S8 | S7 | O1 | TH0 | O2 | RGB5 | O3 | M1 | 5V | 3.3V | Info | USB | RGB3 | S5 | S6 | M3 | S13 | S14 | S15 | S16 | 120Ω
